# KiCad board multi-channel-cremat-amplifier.kicad_pcb (continued)
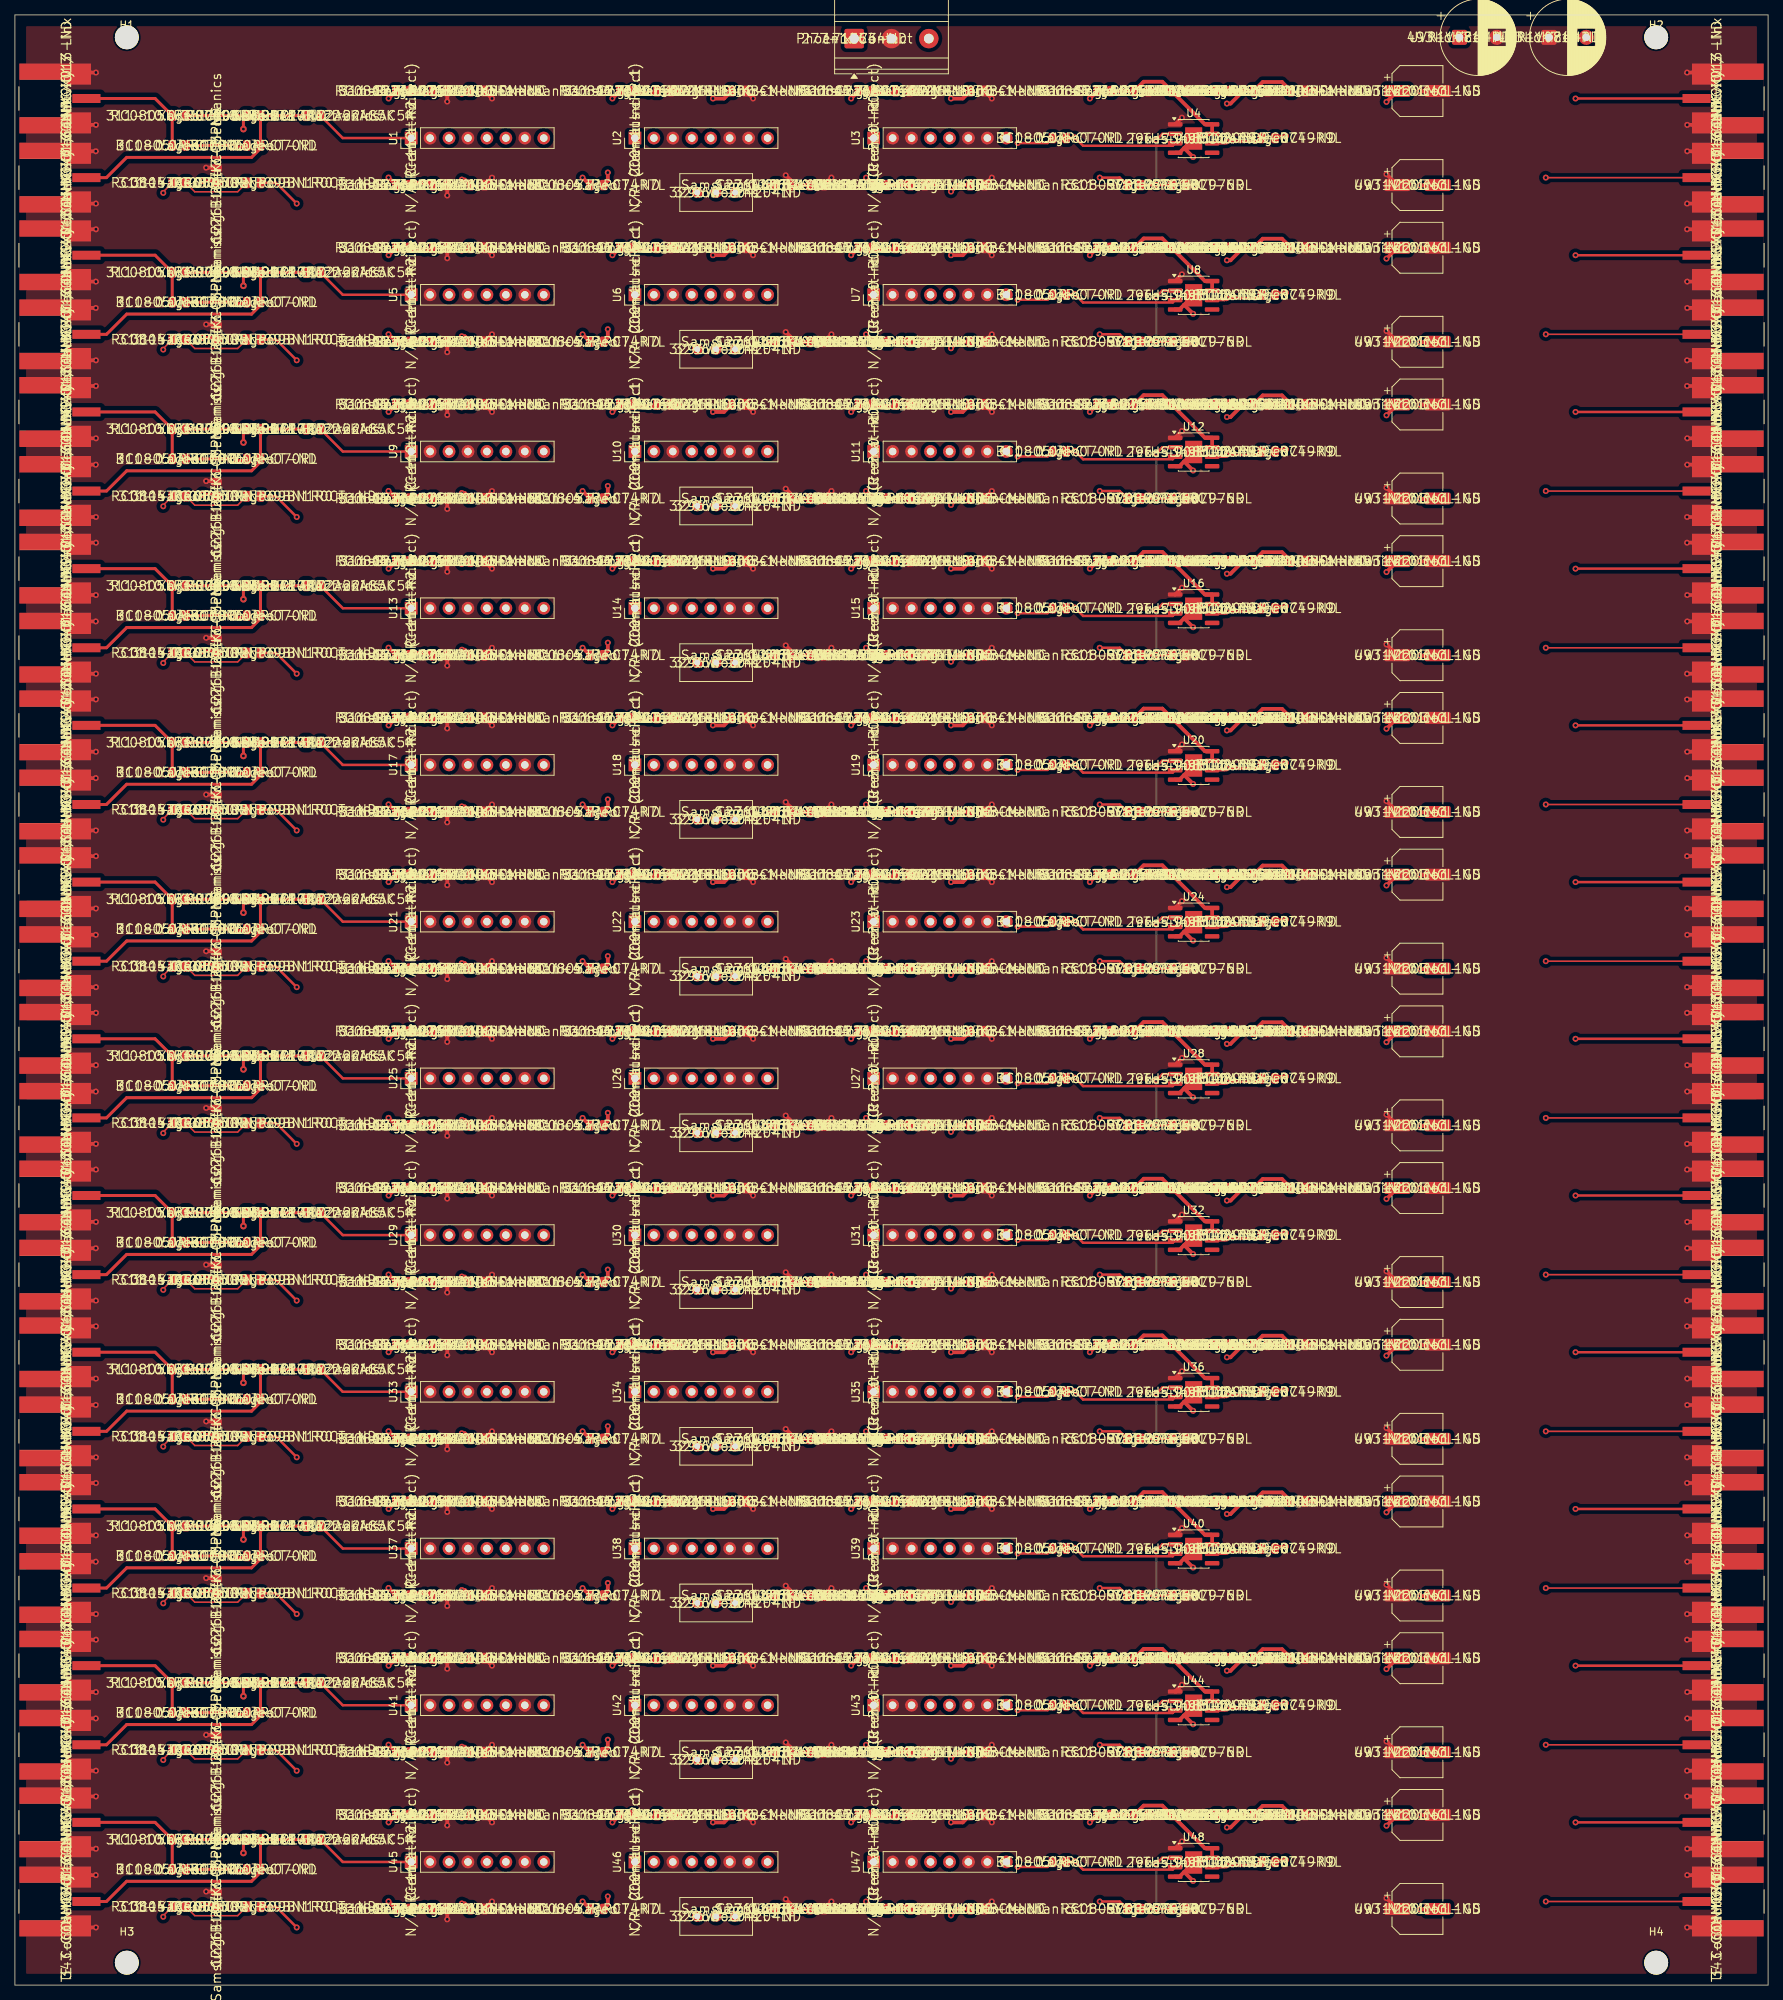
[diagram p0: board, top side]
## Nets (continued)
/TEST_N_ch11: C213.1 R175.2
/TEST_N_ch12: C234.1 R192.2

Pads without a net: U1 3; U4 5; U5 3; U8 5; U9 3; U12 5; U13 3; U16 5; U17 3; U20 5; U21 3; U24 5; U25 3; U28 5; U29 3; U32 5; U33 3; U36 5; U37 3; U40 5; U41 3; U44 5; U45 3; U48 5

## Via types
v1: diameter 0.8, hole 0.4, Top to Bottom, 780 vias
v2: diameter 0.9, hole 0.4, Top to Bottom, 36 vias

## Routing (per net, layer and track width the routed paths; a pad name or vN(x,y) marks a point on that pad's centre or on a via; arc(x,y) is an arc through that point)
GND: length 880.3
  Top w0.5: v1(109.45,74.2) C179.2 ; J2.2 5.52,238.72 v1(10.86,238.72) ; J13.2 5.47,186.27 v1(10.86,186.27) ; v1(224.16,56.73) 229.53,56.73 J39.2 ; v1(174.13,253.89) 173.04,253.89 C21.2 ; v1(98.95,252.8) C9.2 ; v1(57.95,21.39) C235.2 ; v1(103.32,116.51) 103.95,115.89 C136.2 ; J5.2 5.52,235.28 v1(10.86,235.28) ; v1(63.95,53.2) C196.2 ; C199.2 103.95,52.89 v1(103.32,53.51) ; U8.1 v1(156.43,229.24) ; C122.1 v1(183.85,137.65) ; J44.2 229.53,39.27 v1(224.16,39.27) ; C12.2 119.96,253.81 v1(121.09,253.81) ; C226.2 190.68,43.78 v1(188.34,43.78) ; v1(121.09,43.81) 119.96,43.81 C222.2 ; v1(10.86,207.27) 5.47,207.27 J9.2 ; J37.2 5.52,67.28 v1(10.86,67.28) ; v1(224.16,98.73) 229.53,98.73 J31.2 ; C231.2 173.04,43.89 v1(174.13,43.89) ; v1(224.14,238.72) 229.48,238.72 J3.2 ; v1(224.14,172.28) 229.48,172.28 J20.2 ; v1(169.06,253.82) 167.97,253.82 C20.2 ; J25.2 5.47,123.27 v1(10.86,123.27) ; J26.2 5.47,119.73 v1(10.84,119.73) ; J25.2 5.52,130.28 v1(10.86,130.28) ; v1(130.95,32.2) C225.2 ; v1(169.06,211.82) 167.97,211.82 C62.2 ; v1(121.09,85.81) 119.96,85.81 C180.2 ; C138.2 119.96,127.81 v1(121.09,127.81) ; v1(224.16,144.27) 229.53,144.27 J24.2 ; v1(153.14,253.89) 152.04,253.89 C18.2 ; v1(130.95,158.2) C99.2 ; J19.2 229.53,161.73 v1(224.16,161.73) ; J33.2 5.52,88.28 v1(10.86,88.28) ; C247.2 190.68,22.78 v1(188.34,22.78) ; U36.1 v1(156.43,82.24) ; R65.2 157.02,178.09 v1(158.05,178.09) ; C121.2 190.68,148.78 v1(188.34,148.78) ; U20.1 v1(156.43,166.24) ; C29.2 87.96,232.81 v1(89.12,232.81) ; v1(121.09,211.81) 119.96,211.81 C54.2 ; v1(98.95,84.8) C177.2 ; J16.2 229.53,186.27 v1(224.16,186.27) ; C161.2 122.22,94.47 v1(123.11,94.47) ; C211.2 26.92,33.53 v1(25.63,33.53) ; v1(109.45,32.2) C221.2 ; v1(224.14,175.72) 229.48,175.72 J15.2 ; v1(130.95,74.2) C183.2 ; C83.2 167.97,190.82 v1(169.06,190.82) ; v1(63.95,32.2) C217.2 ; R31.2 157.02,220.09 v1(158.05,220.09) ; v1(10.86,60.27) 5.47,60.27 J37.2 ; C166.2 157.04,106.89 v1(158.07,106.89) ; v1(174.13,169.89) 173.04,169.89 C105.2 ; v1(153.14,211.89) 152.04,211.89 C60.2 ; J28.2 229.53,123.27 v1(224.16,123.27) ; C145.2 157.04,127.89 v1(158.07,127.89) ; C80.1 v1(183.85,179.65) ; U24.1 v1(156.43,145.24) ; v1(10.84,98.73) 5.47,98.73 J30.2 ; v1(10.86,7.72) 5.52,7.72 J46.2 ; U32.1 v1(156.43,103.24) ; v1(224.14,91.72) 229.48,91.72 J31.2 ; C31.2 103.95,220.89 v1(103.32,221.51) ; v1(158.05,115.09) 157.02,115.09 R116.2 ; v1(10.86,28.72) 5.52,28.72 J42.2 ; v1(57.95,189.39) C67.2 ; J43.2 229.53,35.73 v1(224.16,35.73) ; C102.2 152.04,169.89 v1(153.14,169.89) ; v1(10.86,228.27) 5.47,228.27 J5.2 ; C119.2 122.22,136.47 v1(123.11,136.47) ; v1(224.16,140.73) 229.53,140.73 J23.2 ; v1(158.07,43.89) 157.04,43.89 C229.2 ; J32.2 229.53,102.27 v1(224.16,102.27) ; J47.2 229.53,14.73 v1(224.16,14.73) ; v1(158.07,211.89) 157.04,211.89 C61.2 ; J36.2 229.48,88.28 v1(224.14,88.28) ; J35.2 229.53,77.73 v1(224.16,77.73) ; C206.1 v1(183.85,53.65) ; C63.2 173.04,211.89 v1(174.13,211.89) ; J9.2 5.52,214.28 v1(10.86,214.28) ; C50.2 87.96,211.81 v1(89.12,211.81) ; R99.2 157.02,136.09 v1(158.05,136.09) ; v1(57.95,105.39) C151.2 ; C155.2 87.96,106.81 v1(89.12,106.81) ; v1(89.12,127.81) 87.96,127.81 C134.2 ; C201.2 119.96,64.81 v1(121.09,64.81) ; v1(224.16,249.27) 229.53,249.27 J4.2 ; v1(174.13,127.89) 173.04,127.89 C147.2 ; v1(123.11,31.47) 122.22,31.47 C224.2 ; v1(98.95,210.8) C51.2 ; C84.2 173.04,190.89 v1(174.13,190.89) ; v1(174.13,106.89) 173.04,106.89 C168.2 ; C218.2 87.96,43.81 v1(89.12,43.81) ; C207.2 152.04,64.89 v1(153.14,64.89) ; J8.2 229.53,228.27 v1(224.16,228.27) ; v1(169.06,22.82) 167.97,22.82 C251.2 ; C127.2 26.92,117.53 v1(25.63,117.53) ; v1(57.95,155.8) C90.2 ; J11.2 229.53,203.73 v1(224.16,203.73) ; C37.2 190.68,232.78 v1(188.34,232.78) ; v1(57.95,231.39) C25.2 ; J29.2 5.47,102.27 v1(10.86,102.27) ; v1(224.14,28.72) 229.48,28.72 J43.2 ; v1(130.95,126.8) C139.2 ; v1(224.14,151.28) 229.48,151.28 J24.2 ; v1(130.95,221.2) C36.2 ; J36.2 229.53,81.27 v1(224.16,81.27) ; v1(89.12,85.81) 87.96,85.81 C176.2 ; v1(10.86,109.28) 5.52,109.28 J29.2 ; C159.2 119.96,106.81 v1(121.09,106.81) ; v1(123.11,199.47) 122.22,199.47 C56.2 ; C42.2 173.04,232.89 v1(174.13,232.89) ; v1(130.95,242.2) C15.2 ; v1(10.86,49.72) 5.52,49.72 J38.2 ; J13.2 5.52,193.28 v1(10.86,193.28) ; v1(224.14,109.28) 229.48,109.28 J32.2 ; v1(224.14,133.72) 229.48,133.72 J23.2 ; v1(224.16,18.27) 229.53,18.27 J48.2 ; v1(63.95,179.2) C70.2 ; v1(63.95,231.8) C26.2 ; v1(121.09,148.81) 119.96,148.81 C117.2 ; v1(63.95,74.2) C175.2 ; v1(158.05,157.09) 157.02,157.09 R82.2 ; J14.2 5.52,175.72 v1(10.86,175.72) ; J46.2 5.47,14.73 v1(10.84,14.73) ; C248.1 v1(183.85,11.65) ; v1(10.84,224.73) 5.47,224.73 J6.2 ; v1(103.32,242.51) 103.95,241.89 C10.2 ; v1(10.86,91.72) 5.52,91.72 J30.2 ; v1(121.09,169.81) 119.96,169.81 C96.2 ; v1(103.32,95.51) 103.95,94.89 C157.2 ; v1(89.12,190.81) 87.96,190.81 C71.2 ; J16.2 229.48,193.28 v1(224.14,193.28) ; C39.2 152.04,232.89 v1(153.14,232.89) ; v1(10.86,81.27) 5.47,81.27 J33.2 ; v1(63.95,189.8) C68.2 ; v1(63.95,158.2) C91.2 ; v1(130.95,179.2) C78.2 ; v1(121.09,232.81) 119.96,232.81 C33.2 ; C164.1 v1(183.85,95.65) ; v1(224.14,49.72) 229.48,49.72 J39.2 ; v1(57.95,147.39) C109.2 ; J21.2 5.47,144.27 v1(10.86,144.27) ; v1(224.14,256.28) 229.48,256.28 J4.2 ; C103.2 157.04,169.89 v1(158.07,169.89) ; C81.2 152.04,190.89 v1(153.14,190.89) ; C185.1 v1(183.85,74.65) ; v1(98.95,189.8) C72.2 ; C94.2 103.95,157.89 v1(103.32,158.51) ; C64.2 26.92,180.53 v1(25.63,180.53) ; v1(98.95,42.8) C219.2 ; v1(158.07,148.89) 157.04,148.89 C124.2 ; v1(224.14,46.28) 229.48,46.28 J44.2 ; v1(103.32,32.51) 103.95,31.89 C220.2 ; v1(98.95,231.8) C30.2 ; C230.2 167.97,43.82 v1(169.06,43.82) ; C115.2 103.95,136.89 v1(103.32,137.51) ; v1(109.45,137.2) C116.2 ; v1(57.95,252.39) C4.2 ; v1(130.95,21.8) C244.2 ; v1(130.95,53.2) C204.2 ; v1(63.95,221.2) C28.2 ; J20.2 229.53,165.27 v1(224.16,165.27) ; C189.2 173.04,85.89 v1(174.13,85.89) ; v1(10.86,18.27) 5.47,18.27 J45.2 ; v1(63.95,252.8) C5.2 ; C41.2 167.97,232.82 v1(169.06,232.82) ; v1(158.05,241.09) 157.02,241.09 R14.2 ; v1(57.95,92.8) C153.2 ; v1(224.14,214.28) 229.48,214.28 J12.2 ; v1(10.84,77.73) 5.47,77.73 J34.2 ; v1(123.11,10.47) 122.22,10.47 C245.2 ; J3.2 229.53,245.73 v1(224.16,245.73) ; J18.2 5.47,161.73 v1(10.84,161.73) ; v1(98.95,126.8) C135.2 ; J10.2 5.52,196.72 v1(10.86,196.72) ; v1(130.95,63.8) C202.2 ; v1(188.34,190.78) 190.68,190.78 C79.2 ; C40.2 157.04,232.89 v1(158.07,232.89) ; C17.1 v1(183.85,242.65) ; v1(169.06,64.82) 167.97,64.82 C209.2 ; J35.2 229.48,70.72 v1(224.14,70.72) ; v1(224.14,217.72) 229.48,217.72 J7.2 ; v1(63.95,126.8) C131.2 ; J27.2 229.53,119.73 v1(224.16,119.73) ; J28.2 229.48,130.28 v1(224.14,130.28) ; v1(109.45,179.2) C74.2 ; C82.2 157.04,190.89 v1(158.07,190.89) ; J1.2 5.47,249.27 v1(10.86,249.27) ; v1(158.07,253.89) 157.04,253.89 C19.2 ; C104.2 167.97,169.82 v1(169.06,169.82) ; v1(109.45,221.2) C32.2 ; v1(10.86,133.72) 5.52,133.72 J22.2 ; C210.2 173.04,64.89 v1(174.13,64.89) ; v1(57.95,8.8) C237.2 ; v1(121.09,190.81) 119.96,190.81 C75.2 ; C106.2 26.92,138.53 v1(25.63,138.53) ; v1(103.32,179.51) 103.95,178.89 C73.2 ; v1(153.14,148.89) 152.04,148.89 C123.2 ; v1(123.11,73.47) 122.22,73.47 C182.2 ; U28.1 v1(156.43,124.24) ; C92.2 87.96,169.81 v1(89.12,169.81) ; v1(109.45,95.2) C158.2 ; v1(123.11,115.47) 122.22,115.47 C140.2 ; v1(224.16,207.27) 229.53,207.27 J12.2 ; v1(63.95,84.8) C173.2 ; v1(63.95,147.8) C110.2 ; v1(109.45,158.2) C95.2 ; C98.2 122.22,157.47 v1(123.11,157.47) ; v1(130.95,200.2) C57.2 ; J10.2 5.47,203.73 v1(10.84,203.73) ; v1(169.06,148.82) 167.97,148.82 C125.2 ; v1(130.95,210.8) C55.2 ; C178.2 103.95,73.89 v1(103.32,74.51) ; v1(109.45,11.2) C242.2 ; v1(188.34,211.78) 190.68,211.78 C58.2 ; U12.1 v1(156.43,208.24) ; v1(188.34,169.78) 190.68,169.78 C100.2 ; v1(158.05,94.09) 157.02,94.09 R133.2 ; v1(25.63,54.53) 26.92,54.53 C190.2 ; v1(158.05,199.09) 157.02,199.09 R48.2 ; v1(10.86,112.72) 5.52,112.72 J26.2 ; v1(130.95,116.2) C141.2 ; v1(169.06,85.82) 167.97,85.82 C188.2 ; v1(130.95,168.8) C97.2 ; C148.2 26.92,96.53 v1(25.63,96.53) ; C205.2 190.68,64.78 v1(188.34,64.78) ; C101.1 v1(183.85,158.65) ; v1(63.95,95.2) C154.2 ; v1(10.86,46.28) 5.52,46.28 J41.2 ; v1(130.95,189.8) C76.2 ; J48.2 229.48,25.28 v1(224.14,25.28) ; v1(130.95,84.8) C181.2 ; v1(188.34,85.78) 190.68,85.78 C184.2 ; J40.2 229.48,67.28 v1(224.14,67.28) ; v1(123.11,178.47) 122.22,178.47 C77.2 ; J38.2 5.47,56.73 v1(10.84,56.73) ; v1(89.12,253.81) 87.96,253.81 C8.2 ; v1(153.14,43.89) 152.04,43.89 C228.2 ; J1.2 5.52,256.28 v1(10.86,256.28) ; J42.2 5.47,35.73 v1(10.84,35.73) ; v1(158.07,64.89) 157.04,64.89 C208.2 ; v1(98.95,21.8) C240.2 ; v1(10.86,39.27) 5.47,39.27 J41.2 ; v1(57.95,50.8) C195.2 ; C169.2 26.92,75.53 v1(25.63,75.53) ; v1(158.07,85.89) 157.04,85.89 C187.2 ; C250.2 157.04,22.89 v1(158.07,22.89) ; C186.2 152.04,85.89 v1(153.14,85.89) ; J17.2 5.52,172.28 v1(10.86,172.28) ; U48.1 v1(156.43,19.24) ; J22.2 5.47,140.73 v1(10.84,140.73) ; v1(57.95,84.39) C172.2 ; v1(25.63,12.53) 26.92,12.53 C232.2 ; v1(130.95,147.8) C118.2 ; C203.2 122.22,52.47 v1(123.11,52.47) ; C227.1 v1(183.85,32.65) ; R184.2 157.02,31.09 v1(158.05,31.09) ; v1(63.95,168.8) C89.2 ; C197.2 87.96,64.81 v1(89.12,64.81) ; C85.2 26.92,159.53 v1(25.63,159.53) ; v1(89.12,148.81) 87.96,148.81 C113.2 ; v1(63.95,242.2) C7.2 ; C239.2 87.96,22.81 v1(89.12,22.81) ; v1(174.13,22.89) 173.04,22.89 C252.2 ; v1(158.05,10.09) 157.02,10.09 R201.2 ; C1.2 26.92,243.53 v1(25.63,243.53) ; v1(103.32,11.51) 103.95,10.89 C241.2 ; v1(57.95,126.39) C130.2 ; v1(57.95,218.8) C27.2 ; J27.2 229.48,112.72 v1(224.14,112.72) ; J7.2 229.53,224.73 v1(224.16,224.73) ; J34.2 5.52,70.72 v1(10.86,70.72) ; U44.1 v1(156.43,40.24) ; v1(130.95,105.8) C160.2 ; C35.2 122.22,220.47 v1(123.11,220.47) ; v1(224.14,154.72) 229.48,154.72 J19.2 ; v1(188.34,127.78) 190.68,127.78 C142.2 ; v1(25.63,201.53) 26.92,201.53 C43.2 ; v1(63.95,200.2) C49.2 ; v1(63.95,137.2) C112.2 ; v1(10.84,245.73) 5.47,245.73 J2.2 ; v1(153.14,22.89) 152.04,22.89 C249.2 ; v1(130.95,137.2) C120.2 ; C22.2 26.92,222.53 v1(25.63,222.53) ; U16.1 v1(156.43,187.24) ; v1(57.95,42.39) C214.2 ; v1(188.34,106.78) 190.68,106.78 C163.2 ; C14.2 122.22,241.47 v1(123.11,241.47) ; v1(57.95,168.39) C88.2 ; v1(63.95,11.2) C238.2 ; C16.2 190.68,253.78 v1(188.34,253.78) ; v1(130.95,252.8) C13.2 ; v1(103.32,200.51) 103.95,199.89 C52.2 ; v1(63.95,21.8) C236.2 ; C59.1 v1(183.85,200.65) ; J21.2 5.52,151.28 v1(10.86,151.28) ; J45.2 5.52,25.28 v1(10.86,25.28) ; v1(10.86,165.27) 5.47,165.27 J17.2 ; v1(63.95,42.8) C215.2 ; v1(130.95,11.2) C246.2 ; v1(158.05,73.09) 157.02,73.09 R150.2 ; v1(224.14,235.28) 229.48,235.28 J8.2 ; v1(130.95,231.8) C34.2 ; U40.1 v1(156.43,61.24) ; v1(63.95,105.8) C152.2 ; v1(57.95,134.8) C111.2 ; v1(130.95,42.8) C223.2 ; v1(98.95,63.8) C198.2 ; v1(109.45,242.2) C11.2 ; v1(169.06,106.82) 167.97,106.82 C167.2 ; C126.2 173.04,148.89 v1(174.13,148.89) ; v1(98.95,147.8) C114.2 ; J14.2 5.47,182.73 v1(10.84,182.73) ; v1(57.95,29.8) C216.2 ; v1(57.95,71.8) C174.2 ; v1(63.95,116.2) C133.2 ; v1(224.16,60.27) 229.53,60.27 J40.2 ; J11.2 229.48,196.72 v1(224.14,196.72) ; v1(109.45,200.2) C53.2 ; v1(109.45,116.2) C137.2 ; v1(169.06,127.82) 167.97,127.82 C146.2 ; v1(153.14,106.89) 152.04,106.89 C165.2 ; C143.1 v1(183.85,116.65) ; v1(130.95,95.2) C162.2 ; R167.2 157.02,52.09 v1(158.05,52.09) ; v1(98.95,105.8) C156.2 ; C144.2 152.04,127.89 v1(153.14,127.89) ; J47.2 229.48,7.72 v1(224.14,7.72) ; v1(57.95,197.8) C48.2 ; v1(10.86,154.72) 5.52,154.72 J18.2 ; v1(63.95,63.8) C194.2 ; v1(57.95,210.39) C46.2 ; v1(63.95,210.8) C47.2 ; J15.2 229.53,182.73 v1(224.16,182.73) ; C38.1 v1(183.85,221.65) ; C243.2 119.96,22.81 v1(121.09,22.81) ; v1(57.95,176.8) C69.2 ; J6.2 5.52,217.72 v1(10.86,217.72) ; U4.1 v1(156.43,250.24) ; v1(57.95,239.8) C6.2 ; v1(57.95,113.8) C132.2 ; v1(98.95,168.8) C93.2 ; v1(109.45,53.2) C200.2 ; v1(57.95,63.39) C193.2
+VDC: length 92.5
  Top w0.5: v1(112.09,126.8) R112.1 ; v1(112.09,105.8) R129.1 ; v1(144.09,84.8) R152.1 ; v1(112.09,231.8) R27.1 ; v1(50.09,84.8) R142.1 ; v1(112.09,168.8) R78.1 ; C163.1 v1(183.85,105.35) ; v1(80.09,252.8) R8.1 ; v1(144.09,252.8) R16.1 ; v1(80.09,231.8) R25.1 ; v1(80.09,210.8) R42.1 ; v1(112.09,84.8) R146.1 ; v1(80.09,21.8) R195.1 ; v1(144.09,168.8) R84.1 ; C184.1 v1(183.85,84.35) ; v1(50.09,189.8) R57.1 ; v1(80.09,189.8) R59.1 ; C79.1 v1(183.85,189.35) ; v1(80.09,126.8) R110.1 ; v1(144.09,21.8) R203.1 ; v1(50.09,105.8) R125.1 ; v1(50.09,210.8) R40.1 ; v1(144.09,210.8) R50.1 ; C100.1 v1(183.85,168.35) ; v1(144.09,231.8) R33.1 ; C121.1 v1(183.85,147.35) ; C16.1 v1(183.85,252.35) ; v1(50.09,168.8) R74.1 ; v1(144.09,189.8) R67.1 ; v1(112.09,63.8) R163.1 ; v1(112.09,147.8) R95.1 ; v1(50.09,231.8) R23.1 ; v1(144.09,147.8) R101.1 ; C247.1 v1(183.85,21.35) ; v1(80.09,84.8) R144.1 ; C226.1 v1(183.85,42.35) ; v1(112.09,252.8) R10.1 ; v1(50.09,252.8) R6.1 ; v1(80.09,147.8) R93.1 ; v1(50.09,63.8) R159.1 ; v1(50.09,21.8) R193.1 ; v1(50.09,126.8) R108.1 ; C142.1 v1(183.85,126.35) ; v1(80.09,42.8) R178.1 ; v1(112.09,210.8) R44.1 ; v1(144.09,63.8) R169.1 ; C205.1 v1(183.85,63.35) ; v1(144.09,42.8) R186.1 ; v1(50.09,42.8) R176.1 ; v1(112.09,42.8) R180.1 ; v1(144.09,105.8) R135.1 ; v1(144.09,126.8) R118.1 ; v1(80.09,63.8) R161.1 ; C58.1 v1(183.85,210.35) ; C37.1 v1(183.85,231.35) ; v1(80.09,168.8) R76.1 ; v1(50.09,147.8) R91.1 ; v1(112.09,189.8) R61.1 ; v1(112.09,21.8) R197.1 ; v1(80.09,105.8) R127.1
-VDC: length 93.2
  Top w0.5: R153.1 161.05,85.83 v1(159.97,85.83) ; v1(159.97,169.83) 161.05,169.83 R85.1 ; R109.1 v1(50.08,116.21) ; v1(159.97,64.83) 161.05,64.83 R170.1 ; R126.1 v1(50.08,95.21) ; R160.1 v1(50.08,53.21) ; v1(114.09,158.2) R79.1 ; R187.1 161.05,43.83 v1(159.97,43.83) ; v1(188.35,115.14) 190.64,115.14 C143.2 ; v1(159.97,190.83) 161.05,190.83 R68.1 ; v1(114.09,200.2) R45.1 ; v1(159.97,148.83) 161.05,148.83 R102.1 ; v1(188.35,94.14) 190.64,94.14 C164.2 ; R92.1 v1(50.08,137.21) ; R177.1 v1(50.08,32.21) ; R41.1 v1(50.08,200.21) ; R75.1 v1(50.08,158.21) ; v1(76.09,200.2) R43.1 ; v1(76.09,74.2) R145.1 ; v1(76.09,158.2) R77.1 ; v1(76.09,116.2) R111.1 ; R58.1 v1(50.08,179.21) ; C206.2 190.64,52.14 v1(188.35,52.14) ; C185.2 190.64,73.14 v1(188.35,73.14) ; v1(76.09,242.2) R9.1 ; C122.2 190.64,136.14 v1(188.35,136.14) ; v1(114.09,32.2) R181.1 ; v1(114.09,137.2) R96.1 ; R194.1 v1(50.08,11.21) ; C17.2 190.64,241.14 v1(188.35,241.14) ; v1(159.97,211.83) 161.05,211.83 R51.1 ; v1(76.09,11.2) R196.1 ; v1(76.09,137.2) R94.1 ; v1(76.09,32.2) R179.1 ; C227.2 190.64,31.14 v1(188.35,31.14) ; C59.2 190.64,199.14 v1(188.35,199.14) ; v1(114.09,242.2) R11.1 ; C101.2 190.64,157.14 v1(188.35,157.14) ; R7.1 v1(50.08,242.21) ; v1(114.09,221.2) R28.1 ; v1(188.35,220.14) 190.64,220.14 C38.2 ; v1(114.09,95.2) R130.1 ; v1(76.09,179.2) R60.1 ; C248.2 190.64,10.14 v1(188.35,10.14) ; v1(159.97,127.83) 161.05,127.83 R119.1 ; R24.1 v1(50.08,221.21) ; v1(76.09,53.2) R162.1 ; R204.1 161.05,22.83 v1(159.97,22.83) ; v1(114.09,74.2) R147.1 ; v1(76.09,221.2) R26.1 ; v1(76.09,95.2) R128.1 ; v1(159.97,232.83) 161.05,232.83 R34.1 ; v1(114.09,179.2) R62.1 ; v1(114.09,116.2) R113.1 ; v1(159.97,106.83) 161.05,106.83 R136.1 ; C80.2 190.64,178.14 v1(188.35,178.14) ; v1(159.97,253.83) 161.05,253.83 R17.1 ; R143.1 v1(50.08,74.21) ; v1(114.09,53.2) R164.1 ; v1(114.09,11.2) R198.1
/+VS_F_ch01: length 18.1
  Top w0.5: R6.2 53.23,253.48 v1(54.92,253.48) 55.73,253.48 C4.1 ; C5.1 60.67,253.42 v1(59.89,253.42)
  GND.Cu w0.5: U1.6 v1(59.89,253.42) 54.98,253.42 v1(54.92,253.48)
/+VS_F_ch02: length 18.1
  Top w0.5: R23.2 53.23,232.48 v1(54.92,232.48) 55.73,232.48 C25.1 ; v1(59.89,232.42) 60.67,232.42 C26.1
  GND.Cu w0.5: v1(54.92,232.48) 54.98,232.42 v1(59.89,232.42) U5.6
/+VS_F_ch03: length 18.1
  Top w0.5: C47.1 60.67,211.42 v1(59.89,211.42) ; C46.1 55.73,211.48 v1(54.92,211.48) 53.23,211.48 R40.2
  GND.Cu w0.5: v1(54.92,211.48) 54.98,211.42 v1(59.89,211.42) U9.6
/+VS_F_ch04: length 18.1
  Top w0.5: C68.1 60.67,190.42 v1(59.89,190.42) ; C67.1 55.73,190.48 v1(54.92,190.48) 53.23,190.48 R57.2
  GND.Cu w0.5: U13.6 v1(59.89,190.42) 54.98,190.42 v1(54.92,190.48)
/+VS_F_ch05: length 18.1
  Top w0.5: R74.2 53.23,169.48 v1(54.92,169.48) 55.73,169.48 C88.1 ; C89.1 60.67,169.42 v1(59.89,169.42)
  GND.Cu w0.5: v1(54.92,169.48) 54.98,169.42 v1(59.89,169.42) U17.6
/+VS_F_ch06: length 18.1
  Top w0.5: C110.1 60.67,148.42 v1(59.89,148.42) ; R91.2 53.23,148.48 v1(54.92,148.48) 55.73,148.48 C109.1
  GND.Cu w0.5: U21.6 v1(59.89,148.42) 54.98,148.42 v1(54.92,148.48)
/+VS_F_ch07: length 18.1
  Top w0.5: C131.1 60.67,127.42 v1(59.89,127.42) ; C130.1 55.73,127.48 v1(54.92,127.48) 53.23,127.48 R108.2
  GND.Cu w0.5: U25.6 v1(59.89,127.42) 54.98,127.42 v1(54.92,127.48)
/+VS_F_ch08: length 18.1
  Top w0.5: v1(59.89,106.42) 60.67,106.42 C152.1 ; R125.2 53.23,106.48 v1(54.92,106.48) 55.73,106.48 C151.1
  GND.Cu w0.5: v1(54.92,106.48) 54.98,106.42 v1(59.89,106.42) U29.6
/+VS_F_ch09: length 18.1
  Top w0.5: v1(59.89,85.42) 60.67,85.42 C173.1 ; R142.2 53.23,85.48 v1(54.92,85.48) 55.73,85.48 C172.1
  GND.Cu w0.5: v1(54.92,85.48) 54.98,85.42 v1(59.89,85.42) U33.6
/+VS_F_ch10: length 18.1
  Top w0.5: R159.2 53.23,64.48 v1(54.92,64.48) 55.73,64.48 C193.1 ; v1(59.89,64.42) 60.67,64.42 C194.1
  GND.Cu w0.5: U37.6 v1(59.89,64.42) 54.98,64.42 v1(54.92,64.48)
/+VS_F_ch11: length 18.1
  Top w0.5: v1(59.89,43.42) 60.67,43.42 C215.1 ; C214.1 55.73,43.48 v1(54.92,43.48) 53.23,43.48 R176.2
  GND.Cu w0.5: U41.6 v1(59.89,43.42) 54.98,43.42 v1(54.92,43.48)
/+VS_F_ch12: length 18.1
  Top w0.5: C236.1 60.67,22.42 v1(59.89,22.42) ; R193.2 53.23,22.48 v1(54.92,22.48) 55.73,22.48 C235.1
  GND.Cu w0.5: v1(54.92,22.48) 54.98,22.42 v1(59.89,22.42) U45.6
/-VS_F_ch01: length 17
  Top w0.5: C6.1 55.73,241.52 v1(54.91,241.52) 53.23,241.52 R7.2 ; v1(59.91,241.94) 60.31,241.94 C7.1
  GND.Cu w0.5: U1.5 63.27,245.3 v1(59.91,241.94) 55.33,241.94 v1(54.91,241.52)
/-VS_F_ch02: length 17
  Top w0.5: C28.1 60.31,220.94 v1(59.91,220.94) ; R24.2 53.23,220.52 v1(54.91,220.52) 55.73,220.52 C27.1
  GND.Cu w0.5: U5.5 63.27,224.3 v1(59.91,220.94) 55.33,220.94 v1(54.91,220.52)
/-VS_F_ch03: length 17
  Top w0.5: R41.2 53.23,199.52 v1(54.91,199.52) 55.73,199.52 C48.1 ; C49.1 60.31,199.94 v1(59.91,199.94)
  GND.Cu w0.5: U9.5 63.27,203.3 v1(59.91,199.94) 55.33,199.94 v1(54.91,199.52)
/-VS_F_ch04: length 17
  Top w0.5: C69.1 55.73,178.52 v1(54.91,178.52) 53.23,178.52 R58.2 ; C70.1 60.31,178.94 v1(59.91,178.94)
  GND.Cu w0.5: U13.5 63.27,182.3 v1(59.91,178.94) 55.33,178.94 v1(54.91,178.52)
/-VS_F_ch05: length 17
  Top w0.5: C90.1 55.73,157.52 v1(54.91,157.52) 53.23,157.52 R75.2 ; C91.1 60.31,157.94 v1(59.91,157.94)
  GND.Cu w0.5: v1(54.91,157.52) 55.33,157.94 v1(59.91,157.94) 63.27,161.3 U17.5
/-VS_F_ch06: length 17
  Top w0.5: C111.1 55.73,136.52 v1(54.91,136.52) 53.23,136.52 R92.2 ; C112.1 60.31,136.94 v1(59.91,136.94)
  GND.Cu w0.5: U21.5 63.27,140.3 v1(59.91,136.94) 55.33,136.94 v1(54.91,136.52)
/-VS_F_ch07: length 17
  Top w0.5: C132.1 55.73,115.52 v1(54.91,115.52) 53.23,115.52 R109.2 ; C133.1 60.31,115.94 v1(59.91,115.94)
  GND.Cu w0.5: v1(54.91,115.52) 55.33,115.94 v1(59.91,115.94) 63.27,119.3 U25.5
/-VS_F_ch08: length 17
  Top w0.5: C153.1 55.73,94.52 v1(54.91,94.52) 53.23,94.52 R126.2 ; v1(59.91,94.94) 60.31,94.94 C154.1
  GND.Cu w0.5: U29.5 63.27,98.3 v1(59.91,94.94) 55.33,94.94 v1(54.91,94.52)
/-VS_F_ch09: length 17
  Top w0.5: C174.1 55.73,73.52 v1(54.91,73.52) 53.23,73.52 R143.2 ; C175.1 60.31,73.94 v1(59.91,73.94)
  GND.Cu w0.5: v1(54.91,73.52) 55.33,73.94 v1(59.91,73.94) 63.27,77.3 U33.5
/-VS_F_ch10: length 17
  Top w0.5: R160.2 53.23,52.52 v1(54.91,52.52) 55.73,52.52 C195.1 ; C196.1 60.31,52.94 v1(59.91,52.94)
  GND.Cu w0.5: U37.5 63.27,56.3 v1(59.91,52.94) 55.33,52.94 v1(54.91,52.52)
/-VS_F_ch11: length 17
  Top w0.5: C217.1 60.31,31.94 v1(59.91,31.94) ; R177.2 53.23,31.52 v1(54.91,31.52) 55.73,31.52 C216.1
  GND.Cu w0.5: U41.5 63.27,35.3 v1(59.91,31.94) 55.33,31.94 v1(54.91,31.52)
/-VS_F_ch12: length 17
  Top w0.5: C238.1 60.31,10.94 v1(59.91,10.94) ; R194.2 53.23,10.52 v1(54.91,10.52) 55.73,10.52 C237.1
  GND.Cu w0.5: U45.5 63.27,14.3 v1(59.91,10.94) 55.33,10.94 v1(54.91,10.52)
/BIAS_IN_ch01: length 16.5
  Top w0.4: J1.1 18.79,252.8 R1.1 R2.1
/BIAS_IN_ch02: length 16.5
  Top w0.4: R19.1 R18.1 18.79,231.8 J5.1
/BIAS_IN_ch03: length 16.5
  Top w0.4: J9.1 18.79,210.8 R35.1 R36.1
/BIAS_IN_ch04: length 16.5
  Top w0.4: J13.1 18.79,189.8 R52.1 R53.1
/BIAS_IN_ch05: length 16.5
  Top w0.4: J17.1 18.79,168.8 R69.1 R70.1
/BIAS_IN_ch06: length 16.5
  Top w0.4: J21.1 18.79,147.8 R86.1 R87.1
/BIAS_IN_ch07: length 16.5
  Top w0.4: R104.1 R103.1 18.79,126.8 J25.1
/BIAS_IN_ch08: length 16.5
  Top w0.4: R121.1 R120.1 18.79,105.8 J29.1
/BIAS_IN_ch09: length 16.5
  Top w0.4: J33.1 18.79,84.8 R137.1 R138.1
/BIAS_IN_ch10: length 16.5
  Top w0.4: J37.1 18.79,63.8 R154.1 R155.1
/BIAS_IN_ch11: length 16.5
  Top w0.4: J41.1 18.79,42.8 R171.1 R172.1
/BIAS_IN_ch12: length 16.5
  Top w0.4: R189.1 R188.1 18.79,21.8 J45.1
/BLVN_ch01: length 20.2
  Top w0.5: v1(118.92,241.55) 119.7,241.55 C14.1 R11.2 ; v1(125.47,240.33) 126.34,241.2 C15.1
  GND.Cu w0.5: U3.4 122.73,242.32 ; 122.73,242.32 119.69,242.32 v1(118.92,241.55) ; 122.73,242.32 123.49,242.32 v1(125.47,240.33)
/BLVN_ch02: length 20.2
  Top w0.5: v1(125.47,219.33) 126.34,220.2 C36.1 ; v1(118.92,220.55) 119.7,220.55 C35.1 R28.2
  GND.Cu w0.5: U7.4 122.73,221.32 ; 122.73,221.32 119.69,221.32 v1(118.92,220.55) ; 122.73,221.32 123.49,221.32 v1(125.47,219.33)
/BLVN_ch03: length 20.2
  Top w0.5: v1(125.47,198.33) 126.34,199.2 C57.1 ; v1(118.92,199.55) 119.7,199.55 C56.1 R45.2
  GND.Cu w0.5: 122.73,200.32 123.49,200.32 v1(125.47,198.33) ; 122.73,200.32 119.69,200.32 v1(118.92,199.55) ; 122.73,200.32 U11.4
/BLVN_ch04: length 20.2
  Top w0.5: R62.2 C77.1 119.7,178.55 v1(118.92,178.55) ; C78.1 126.34,178.2 v1(125.47,177.33)
  GND.Cu w0.5: v1(125.47,177.33) 123.49,179.32 122.73,179.32 ; U15.4 122.73,179.32 ; 122.73,179.32 119.69,179.32 v1(118.92,178.55)
/BLVN_ch05: length 20.2
  Top w0.5: v1(118.92,157.55) 119.7,157.55 C98.1 R79.2 ; C99.1 126.34,157.2 v1(125.47,156.33)
  GND.Cu w0.5: v1(125.47,156.33) 123.49,158.32 122.73,158.32 ; v1(118.92,157.55) 119.69,158.32 122.73,158.32 ; 122.73,158.32 U19.4
/BLVN_ch06: length 20.2
  Top w0.5: v1(125.47,135.33) 126.34,136.2 C120.1 ; R96.2 C119.1 119.7,136.55 v1(118.92,136.55)
  GND.Cu w0.5: v1(125.47,135.33) 123.49,137.32 122.73,137.32 ; 122.73,137.32 119.69,137.32 v1(118.92,136.55) ; 122.73,137.32 U23.4
/BLVN_ch07: length 20.2
  Top w0.5: R113.2 C140.1 119.7,115.55 v1(118.92,115.55) ; C141.1 126.34,115.2 v1(125.47,114.33)
  GND.Cu w0.5: 122.73,116.32 119.69,116.32 v1(118.92,115.55) ; 122.73,116.32 U27.4 ; 122.73,116.32 123.49,116.32 v1(125.47,114.33)
/BLVN_ch08: length 20.2
  Top w0.5: C162.1 126.34,94.2 v1(125.47,93.33) ; R130.2 C161.1 119.7,94.55 v1(118.92,94.55)
  GND.Cu w0.5: v1(125.47,93.33) 123.49,95.32 122.73,95.32 ; 122.73,95.32 119.69,95.32 v1(118.92,94.55) ; 122.73,95.32 U31.4
/BLVN_ch09: length 20.2
  Top w0.5: R147.2 C182.1 119.7,73.55 v1(118.92,73.55) ; C183.1 126.34,73.2 v1(125.47,72.33)
  GND.Cu w0.5: v1(125.47,72.33) 123.49,74.32 122.73,74.32 ; v1(118.92,73.55) 119.69,74.32 122.73,74.32 ; 122.73,74.32 U35.4
/BLVN_ch10: length 20.2
  Top w0.5: C204.1 126.34,52.2 v1(125.47,51.33) ; R164.2 C203.1 119.7,52.55 v1(118.92,52.55)
  GND.Cu w0.5: v1(118.92,52.55) 119.69,53.32 122.73,53.32 ; v1(125.47,51.33) 123.49,53.32 122.73,53.32 ; U39.4 122.73,53.32
/BLVN_ch11: length 20.2
  Top w0.5: R181.2 C224.1 119.7,31.55 v1(118.92,31.55) ; v1(125.47,30.33) 126.34,31.2 C225.1
  GND.Cu w0.5: v1(125.47,30.33) 123.49,32.32 122.73,32.32 ; 122.73,32.32 U43.4 ; 122.73,32.32 119.69,32.32 v1(118.92,31.55)
/BLVN_ch12: length 20.2
  Top w0.5: R198.2 C245.1 119.7,10.55 v1(118.92,10.55) ; C246.1 126.34,10.2 v1(125.47,9.33)
  GND.Cu w0.5: 122.73,11.32 123.49,11.32 v1(125.47,9.33) ; 122.73,11.32 U47.4 ; 122.73,11.32 119.69,11.32 v1(118.92,10.55)
/BLVP_ch01: length 20.6
  Top w0.5: C12.1 117.77,253.52 v1(116.91,253.52) 115.2,253.52 R10.2 ; C13.1 127.05,252.8 v1(125.47,252.8)
  GND.Cu w0.5: v1(116.91,253.52) 117.62,252.8 v1(125.47,252.8) 125.47,247.7 U3.5
/BLVP_ch02: length 20.6
  Top w0.5: R27.2 115.2,232.52 v1(116.91,232.52) 117.77,232.52 C33.1 ; v1(125.47,231.8) 127.05,231.8 C34.1
  GND.Cu w0.5: U7.5 125.47,226.7 v1(125.47,231.8) 117.62,231.8 v1(116.91,232.52)
/BLVP_ch03: length 20.6
  Top w0.5: R44.2 115.2,211.52 v1(116.91,211.52) 117.77,211.52 C54.1 ; C55.1 127.05,210.8 v1(125.47,210.8)
  GND.Cu w0.5: U11.5 125.47,205.7 v1(125.47,210.8) 117.62,210.8 v1(116.91,211.52)